# KiCad board sumec.kicad_pcb
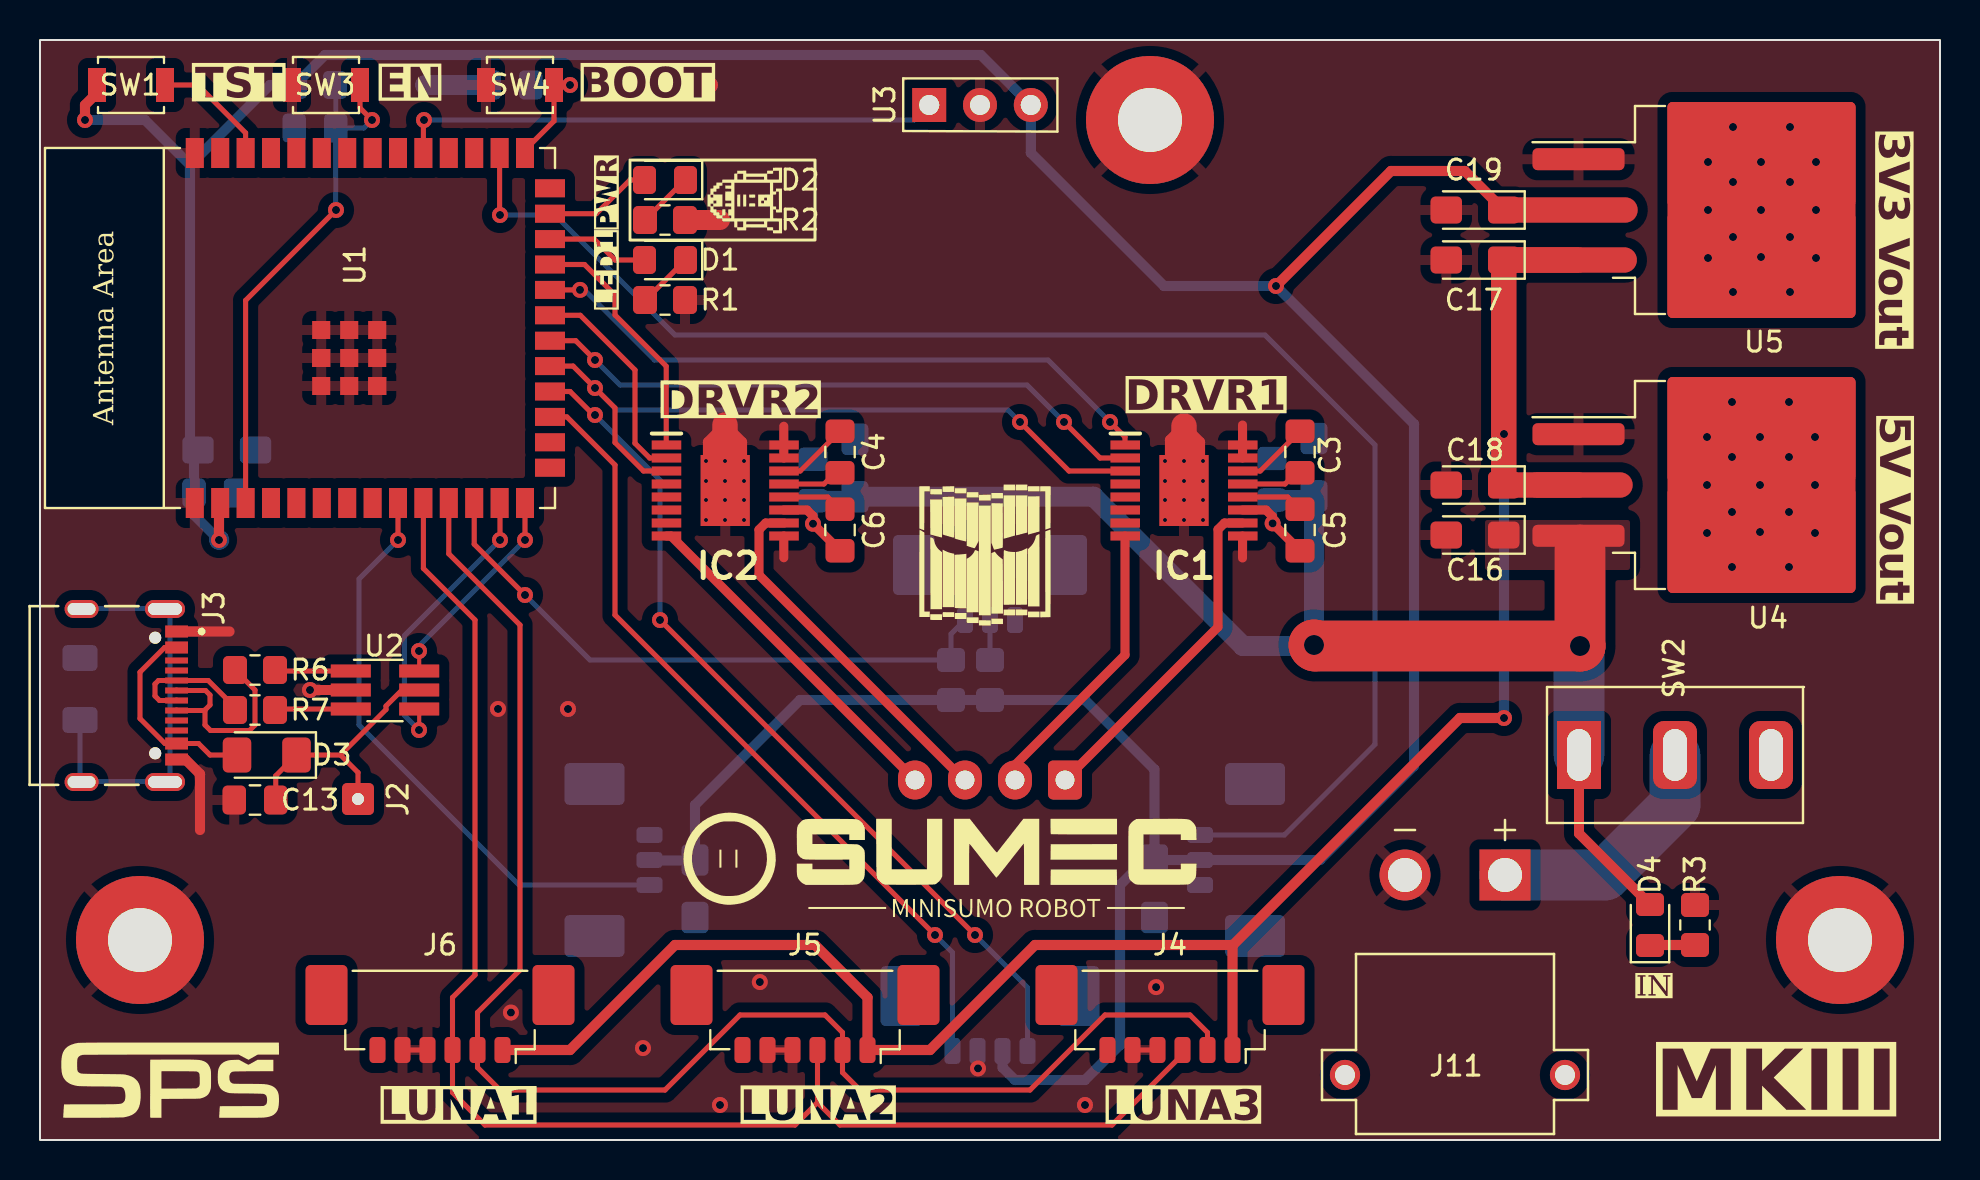
[diagram p0: board, top side]
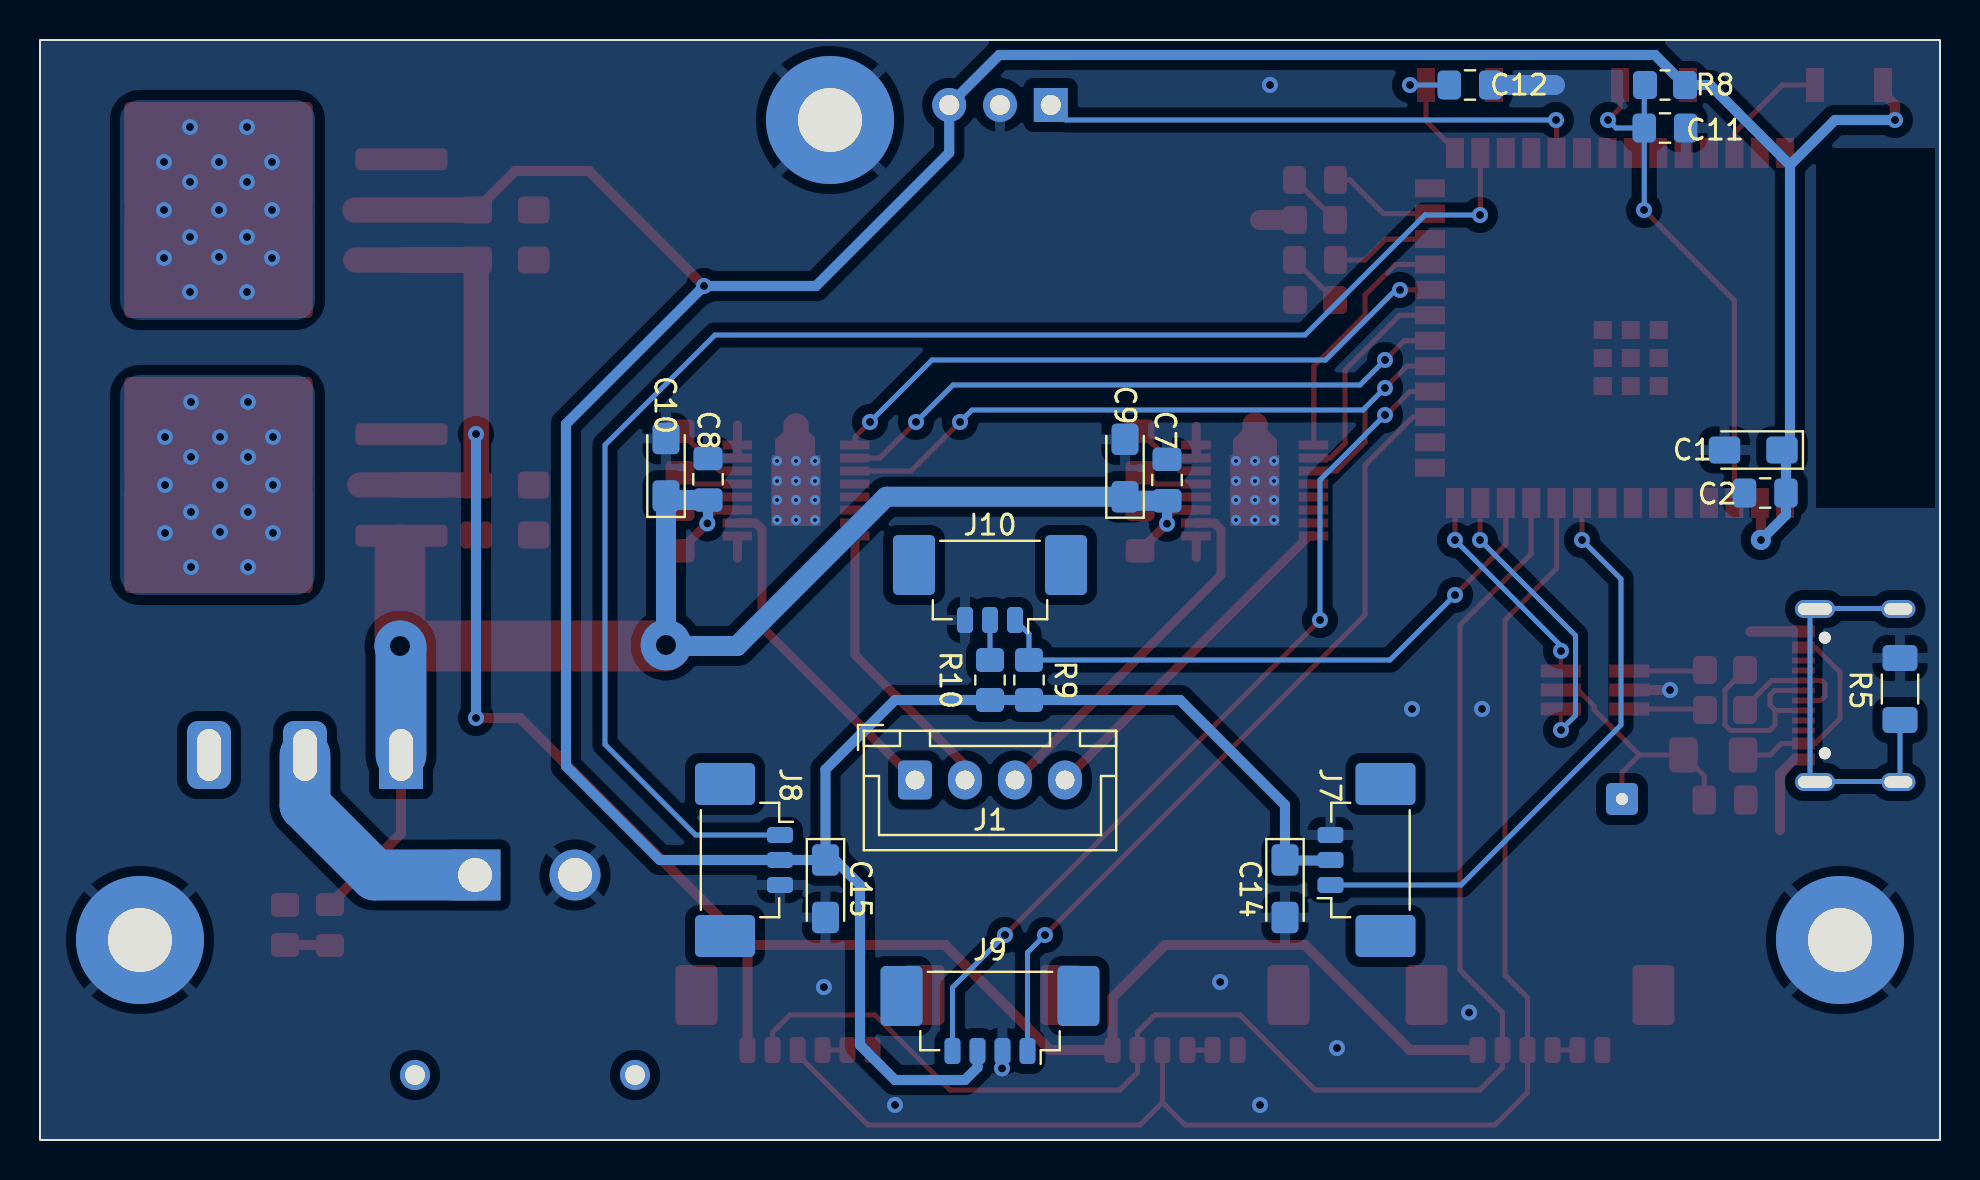
[diagram p1: board, bottom side, seen from below]

Outline 95 x 55 mm; copper layers: Top, Bottom. Coordinates in mm from the lower left corner of the outline.
Outline path: rectangle 0,55 95,0
Stack: Top 0.035mm / dielectric 1.51mm FR4 er 4.5 / Bottom 0.035mm

## Placement (name value [footprint] x y rotation side)
C1  10uF.mcu  [CP_EIA-3216-18_Kemet-A_Pad1.58x1.35mm_HandSolder]  9.34 34.5 0 bottom
C2  100nF.mcu  [C_0805_2012Metric_Pad1.18x1.45mm_HandSolder]  8.74 32.35 0 bottom
C3  22nF.hb  [C_0805_2012Metric_Pad1.18x1.45mm_HandSolder]  63 34.4 270 top
C4  22nF.hb  [C_0805_2012Metric_Pad1.18x1.45mm_HandSolder]  40 34.4 270 top
C5  100nF  [C_0805_2012Metric_Pad1.18x1.45mm_HandSolder]  63 30.5 90 top
C6  100nF  [C_0805_2012Metric_Pad1.18x1.45mm_HandSolder]  40 30.5 90 top
C7  100nF.hb  [C_0805_2012Metric_Pad1.18x1.45mm_HandSolder]  38.65 33 270 bottom
C8  100nF.hb  [C_0805_2012Metric_Pad1.18x1.45mm_HandSolder]  61.6 33.04 270 bottom
C9  10uF.hb  [CP_EIA-3216-18_Kemet-A_Pad1.58x1.35mm_HandSolder]  40.75 33.6 90 bottom
C10  10uF.hb  [CP_EIA-3216-18_Kemet-A_Pad1.58x1.35mm_HandSolder]  63.7 33.64 90 bottom
C11  100nF.en  [C_0805_2012Metric_Pad1.18x1.45mm_HandSolder]  13.75 50.6 180 bottom
C12  100nF.boot  [C_0805_2012Metric_Pad1.18x1.45mm_HandSolder]  23.5 52.75 180 bottom
C13  100nF  [C_0805_2012Metric_Pad1.18x1.45mm_HandSolder]  10.75 17 180 top
C14  10uF.shrp  [CP_EIA-3216-18_Kemet-A_Pad1.58x1.35mm_HandSolder]  32.75 12.56 270 bottom
C15  10uF.shrp  [CP_EIA-3216-18_Kemet-A_Pad1.58x1.35mm_HandSolder]  55.72 12.56 270 bottom
C16  10uF.stabl  [CP_EIA-3216-18_Kemet-A_Pad1.58x1.35mm_HandSolder]  71.75 30.25 180 top
C17  10uF.stabl  [CP_EIA-3216-18_Kemet-A_Pad1.58x1.35mm_HandSolder]  71.75 44 180 top
C18  10uF.stabl  [CP_EIA-3216-18_Kemet-A_Pad1.58x1.35mm_HandSolder]  71.75 32.75 180 top
C19  10uF.stabl  [CP_EIA-3216-18_Kemet-A_Pad1.58x1.35mm_HandSolder]  71.75 46.5 180 top
D1  LED  [LED_0805_2012Metric_Pad1.15x1.40mm_HandSolder]  31.25 44 180 top
D2  LED  [LED_0805_2012Metric_Pad1.15x1.40mm_HandSolder]  31.25 48 180 top
D3  D_Schottky  [D_1206_3216Metric_Pad1.42x1.75mm_HandSolder]  11.34 19.25 180 top
D4  LED  [LED_0805_2012Metric_Pad1.15x1.40mm_HandSolder]  80.5 10.75 90 top
H1  MountingHole_Pad  [MountingHole_3.2mm_M3_Pad]  5 10 0 top
H2  MountingHole_Pad  [MountingHole_3.2mm_M3_Pad]  90 10 180 top
H3  MountingHole_Pad  [MountingHole_3.2mm_M3_Pad]  55.5 51 180 top
IC1  DRV8874PWPR  [DRV8874]  57.2 32.47 0 top
IC2  DRV8874PWPR  [DRV8874]  34.26 32.47 0 top
J1  Conn_01x04_Pin  [JST_XH_B4B-XH-A_1x04_P2.50mm_Vertical]  51.25 18 180 bottom
J2  Conn_01x01_Pin  [SolderWire-0.1sqmm_1x01_D0.4mm_OD1mm]  15.9 17.05 90 top
J3  TYPE-C-31-M-12  [USB_Type_C]  2.08 22.22 270 top
J4  Conn_01x06_Pin  [Molex_PicoBlade_53398-0671_1x06-1MP_P1.25mm_Vertical]  56.5 5.75 180 top
J5  Conn_01x06_Pin  [Molex_PicoBlade_53398-0671_1x06-1MP_P1.25mm_Vertical]  38.25 5.75 180 top
J6  Conn_01x06_Pin  [Molex_PicoBlade_53398-0671_1x06-1MP_P1.25mm_Vertical]  20 5.75 180 top
J7  Conn_01x03_Pin  [Molex_PicoBlade_53398-0371_1x03-1MP_P1.25mm_Vertical]  29.22 14 90 bottom
J8  Conn_01x03_Pin  [Molex_PicoBlade_53398-0371_1x03-1MP_P1.25mm_Vertical]  59.25 14 270 bottom
J9  Conn_01x04_Pin  [Molex_PicoBlade_53398-0471_1x04-1MP_P1.25mm_Vertical]  47.5 5.7 0 bottom
J10  Conn_01x03_Pin  [Molex_PicoBlade_53398-0371_1x03-1MP_P1.25mm_Vertical]  47.5 27.25 0 bottom
J11  XT30PW-M  [AMASS_XT30PW-M]  70.75 3.25 180 top
R1  100R  [R_0805_2012Metric_Pad1.20x1.40mm_HandSolder]  31.25 42 0 top
R2  100R  [R_0805_2012Metric_Pad1.20x1.40mm_HandSolder]  31.25 46 0 top
R3  560R  [R_0805_2012Metric_Pad1.20x1.40mm_HandSolder]  82.75 10.75 90 top
R4  R  [SPS LOGO]  6.5 3 0 top
R5  0R  [R_1206_3216Metric_Pad1.30x1.75mm_HandSolder]  2 22.55 90 bottom
R6  15R  [R_0805_2012Metric_Pad1.20x1.40mm_HandSolder]  10.75 23.5 0 top
R7  15R  [R_0805_2012Metric_Pad1.20x1.40mm_HandSolder]  10.75 21.5 0 top
R8  10k.mcu  [R_0805_2012Metric_Pad1.20x1.40mm_HandSolder]  13.75 52.75 180 bottom
R9  10k  [R_0805_2012Metric_Pad1.20x1.40mm_HandSolder]  45.55 23 90 bottom
R10  100  [R_0805_2012Metric_Pad1.20x1.40mm_HandSolder]  47.5 23 90 bottom
R12  R  [VIGIL 2]  47.25 29.25 0 top
R20  R  [R2D2]  35.25 47 90 top
R21  R  [Logo]  44.47 13.42 0 top
SW1  SW_Push  [SW_SPST_B3U-1000P]  4.55 52.75 0 top
SW2  SW_DPDT_x2  [Custom_SPDT_4.8mm_Switch]  81.65 19.25 90 top
SW3  SW_Push  [SW_SPST_B3U-1000P]  14.3 52.75 0 top
SW4  SW_Push  [SW_SPST_B3U-1000P]  24 52.75 0 top
U1  -  [ESP32-S3-WROOM-1]  16 40.6 90 top
U2  USBLC6-2SC6  [TSOT-23-6_HandSoldering]  17.25 22.5 0 top
U3  TSOP382xx  [TSOP]  44.46 51.75 90 top
U4  LM1084-5.0  [TO-263-3_TabPin2]  84.57 32.75 0 top
U5  LM1084-3.3  [TO-263-3_TabPin2]  84.57 46.5 0 top

## Library data of the parts
C1 C9 C10 C14-C19 = -: Description: Polarized capacitor
C2-C8 C11-C13 = -: Description: Unpolarized capacitor
D1 D2 D4 = -: Description: Light emitting diode
D3 = -: Description: Schottky diode
H1-H3 = -: Description: Mounting Hole with connection
IC1 IC2 = -: Description: H-Bridge Motor Driver With Integrated Current Sense and Regulation; Arrow Price/Stock: https://www.arrow.com/en/products/drv8874pwpr/texas-instruments?region=nac; Height: 1.2; Manufacturer_Name: Texas Instruments; Mouser Part Number: 595-DRV8874PWPR; Mouser Price/Stock: https://www.mouser.co.uk/ProductDetail/Texas-Instruments/DRV8874PWPR?qs=mAH9sUMRCtvh%2FSU15ywmDA%3D%3D
J1 J9 = -: Description: Generic connector, single row, 01x04, script generated
J2 = -: Description: Generic connector, single row, 01x01, script generated
J3 = -: Description: USB Connectors 24 Receptacle 1 8.94*7.3mm RoHS; Availability: Not in stock; Check_prices: https://www.snapeda.com/parts/TYPE-C-31-M-12/HRO+Electronics+Co.%252C+Ltd./view-part/?ref=eda; MANUFACTURER: HRO Electronics Co., Ltd.; MAXIMUM_PACKAGE_HEIGHT: 3.26 mm; MF: HRO Electronics Co., Ltd.; PARTREV: 2020.12.08; Package: Package; Price: None; STANDARD: Manufacturer Recommendations; SnapEDA_Link: https://www.snapeda.com/parts/TYPE-C-31-M-12/HRO+Electronics+Co.%252C+Ltd./view-part/?ref=snap
J4-J6 = -: Description: Generic connector, single row, 01x06, script generated
J7 J8 J10 = -: Description: Generic connector, single row, 01x03, script generated
J11 = -: Description: Socket; DC supply; XT30; male; PIN: 2; on PCBs; THT; Colour: yellow; Availability: Not in stock; Check_prices: https://www.snapeda.com/parts/XT30PW-M/AMASS/view-part/?ref=eda; MANUFACTURER: Amass; MAXIMUM_PACKAGE_HEIGHT: 5 mm; MF: AMASS; PARTREV: 1.2; Package: None; Price: None; STANDARD: Manufacturer Recommendations; SnapEDA_Link: https://www.snapeda.com/parts/XT30PW-M/AMASS/view-part/?ref=snap
R1-R10 R12 R20 R21 = -: Description: Resistor
SW1 SW3 SW4 = -: Description: Push button switch, generic, two pins
SW2 = -: Description: Switch, dual pole double throw, separate symbols
U1 = -: Description: 2.4 GHz WiFi (802.11 b/g/n) and Bluetooth ® 5 (LE) module Built around ESP32S3 series of SoCs, Xtensa ® dualcore 32bit LX7 microprocessor Flash up to 16 MB, PSRAM up to 8 MB 36 GPIOs, rich set of peripherals Onboard PCB antenna
U2 = -: Description: 17V Clamp 5A (8/20µs) Ipp Tvs Diode Surface Mount SOT-23-6; AVAILABILITY: In Stock; Availability: In Stock; Check_prices: https://www.snapeda.com/parts/USBLC6-2SC6/STMicroelectronics/view-part/?ref=eda; DESCRIPTION: 17V Clamp 5A (8/20µs) Ipp Tvs Diode Surface Mount SOT-23-6; MF: STMicroelectronics; PACKAGE: SOT-23-6 STMicroelectronics; PRICE: None; PURCHASE-URL: https://pricing.snapeda.com/search/part/USBLC6-2SC6/?ref=eda; Package: SOT-23-6 STMicroelectronics; Price: None; Purchase-URL: https://www.snapeda.com/api/url_track_click_mouser/?unipart_id=231887&manufacturer=STMicroelectronics&part_name=USBLC6-2SC6&search_term=None; SnapEDA_Link: https://www.snapeda.com/parts/USBLC6-2SC6/STMicroelectronics/view-part/?ref=snap
U3 = -: Description: Photo Modules for PCM Remote Control Systems
U4 = -: Description: 5A 27V Linear Regulator, Fixed Output 5.0V, TO-220/TO-263
U5 = -: Description: 5A 27V Linear Regulator, Fixed Output 3.3V, TO-220/TO-263

## Footprints (pads in the part's own frame, mm; a bottom-side part is the same pattern mirrored in y, then rotated)
AMASS_XT30PW-M
  round 2.55 hole 1.7: N(2.5,-10)
  rect 2.55x2.55 hole 1.7: P(-2.5,-10)
  round 1.508 hole 1: S1(5.5,0) S2(-5.5,0)
C_0805_2012Metric_Pad1.18x1.45mm_HandSolder
  rrect 1.175x1.45 smd: 1(-1.038,0) 2(1.038,0)
CP_EIA-3216-18_Kemet-A_Pad1.58x1.35mm_HandSolder
  rrect 1.575x1.35 smd: 1(-1.438,0) 2(1.438,0)
Custom_SPDT_4.8mm_Switch
  rect 3.4x2.2 hole 2.6x1.2: 1(0,4.7)
  rrect 3.4x2.2 hole 2.6x1.2: 2(0,-0.1) 3(0,-4.9)
D_1206_3216Metric_Pad1.42x1.75mm_HandSolder
  rrect 1.425x1.75 smd: 1(-1.488,0) 2(1.488,0)
DRV8874
  rect 1.475x0.45 smd: 1(-2.938,2.275) 2(-2.938,1.625) 3(-2.938,0.975) 4(-2.938,0.325) 5(-2.938,-0.325) 6(-2.938,-0.975) 7(-2.938,-1.625) 8(-2.938,-2.275) 9(2.938,-2.275) 10(2.938,-1.625) 11(2.938,-0.975) 12(2.938,-0.325) 13(2.938,0.325) 14(2.938,0.975) 15(2.938,1.625) 16(2.938,2.275)
  rect 2.46x3.55 smd: 17(0,0)
ESP32-S3-WROOM-1
  rect 1.5x0.9 smd: 1(-8.75,8.26) 2(-8.75,6.99) 3(-8.75,5.72) 4(-8.75,4.45) 5(-8.75,3.18) 6(-8.75,1.91) 7(-8.75,0.64) 8(-8.75,-0.63) 9(-8.75,-1.9) 10(-8.75,-3.17) 11(-8.75,-4.44) 12(-8.75,-5.71) 13(-8.75,-6.98) 14(-8.75,-8.25) 27(8.75,-8.25) 28(8.75,-6.98) 29(8.75,-5.71) 30(8.75,-4.44) 31(8.75,-3.17) 32(8.75,-1.9) 33(8.75,-0.63) 34(8.75,0.64) 35(8.75,1.91) 36(8.75,3.18) 37(8.75,4.45) 38(8.75,5.72) 39(8.75,6.99) 40(8.75,8.26)
  rect 0.9x1.5 smd: 15(-6.985,-9.5) 16(-5.715,-9.5) 17(-4.445,-9.5) 18(-3.175,-9.5) 19(-1.905,-9.5) 20(-0.635,-9.5) 21(0.635,-9.5) 22(1.905,-9.5) 23(3.175,-9.5) 24(4.445,-9.5) 25(5.715,-9.5) 26(6.985,-9.5)
  rect 0.9x0.9 smd: 41(-2.9,1.94) 41(-2.9,0.54) 41(-2.9,-0.86) 41(-2.9,-0.86) 41(-1.5,1.94) 41(-1.5,1.94) 41(-1.5,0.54) 41(-1.5,-0.86) 41(-0.1,1.94) 41(-0.1,0.54) 41(-0.1,-0.86)
JST_XH_B4B-XH-A_1x04_P2.50mm_Vertical
  rrect 1.7x1.95 hole 0.95: 1(0,0)
  oval 1.7x1.95 hole 0.95: 2(2.5,0) 3(5,0) 4(7.5,0)
LED_0805_2012Metric_Pad1.15x1.40mm_HandSolder
  rrect 1.15x1.4 smd: 1(-1.025,0) 2(1.025,0)
Molex_PicoBlade_53398-0371_1x03-1MP_P1.25mm_Vertical
  rrect 0.8x1.3 smd: 1(-1.25,1.25) 2(0,1.25) 3(1.25,1.25)
  rrect 2.1x3 smd: MP(-3.8,-1.5) MP(3.8,-1.5)
Molex_PicoBlade_53398-0471_1x04-1MP_P1.25mm_Vertical
  rrect 0.8x1.3 smd: 1(-1.875,1.25) 2(-0.625,1.25) 3(0.625,1.25) 4(1.875,1.25)
  rrect 2.1x3 smd: MP(-4.425,-1.5) MP(4.425,-1.5)
Molex_PicoBlade_53398-0671_1x06-1MP_P1.25mm_Vertical
  rrect 0.8x1.3 smd: 1(-3.125,1.25) 2(-1.875,1.25) 3(-0.625,1.25) 4(0.625,1.25) 5(1.875,1.25) 6(3.125,1.25)
  rrect 2.1x3 smd: MP(-5.675,-1.5) MP(5.675,-1.5)
MountingHole_3.2mm_M3_Pad
  round 6.4 hole 3.2: 1(0,0)
R_0805_2012Metric_Pad1.20x1.40mm_HandSolder
  rrect 1.2x1.4 smd: 1(-1,0) 2(1,0)
R_1206_3216Metric_Pad1.30x1.75mm_HandSolder
  rrect 1.3x1.75 smd: 1(-1.55,0) 2(1.55,0)
SolderWire-0.1sqmm_1x01_D0.4mm_OD1mm
  rrect 1.6x1.6 hole 0.6: 1(0,0)
SW_SPST_B3U-1000P
  rect 0.9x1.7 smd: 1(-1.7,0) 2(1.7,0)
TO-263-3_TabPin2
  rrect 4.6x1.1 smd: 1(-7.65,2.54) 2(-7.65,0) 3(-7.65,-2.54)
  rrect 4.55x5.25 smd: 2(-0.925,2.775) 2(-0.925,-2.775) 2(3.925,2.775) 2(3.925,-2.775)
  rrect 9.4x10.8 smd: 2(1.5,0)
TSOP
  rect 1.7x1.7 hole 1: 1(0,0)
  oval 1.7x1.7 hole 1: 2(0,-2.54) 3(0,-5.08)
TSOT-23-6_HandSoldering
  rect 2x0.65 smd: 1(-1.71,0.95) 2(-1.71,0) 3(-1.71,-0.95) 4(1.71,-0.95) 5(1.71,0) 6(1.71,0.95)
USB_Type_C
  round 0.6 hole 0.6 unplated: (-2.89,3.68) (2.89,3.68)
  rect 0.6x1.14 smd: A1_B12(-3.2,4.75) A4_B9(-2.4,4.75) B1_A12(3.2,4.75) B4_A9(2.4,4.75)
  rect 0.3x1.14 smd: A5(-1.25,4.75) A6(-0.25,4.75) A7(0.25,4.75) A8(1.25,4.75) B5(1.75,4.75) B6(0.75,4.75) B7(-0.75,4.75) B8(-1.75,4.75)
  oval 0.9x2 hole 0.6x1.7: S1(-4.325,4.17) S2(4.325,4.17)
  oval 0.9x1.7 hole 0.6x1.4: S3(-4.325,0) S4(4.325,0)

## Nets
+3V3: C1.1 C2.1 C14.1 C15.1 C19.1 J7.2 J8.2 J9.3 R8.2 R9.1 R10.1 SW1.1 U1.2 U3.3 U5.2
+5V: C17.1 C18.1 J4.1 J5.1 J6.1 U4.2 U5.3
+12V: C5.1 C6.1 C7.2 C8.2 C9.1 C10.1 C16.1 D4.2 IC1.11 IC2.11 SW2.1 U4.3
GND: C1.2 C2.2 C7.1 C8.1 C9.2 C10.2 C11.2 C12.2 C13.2 C14.2 C15.2 C16.2 C17.2 C18.2 C19.2 H1.1 H2.1 H3.1 IC1.9 IC1.15 IC1.16 IC1.17 IC2.9 IC2.15 IC2.16 IC2.17 J3.A1_B12 J3.B1_A12 J4.4 J4.5 J5.4 J5.5 J6.4 J6.5 J7.3 J8.3 J9.2 J10.3 J11.N R1.2 R2.2 R3.2 R5.2 SW3.1 SW4.1 U1.1 U1.40 U1.41 U2.2 U3.2 U4.1 U5.1
VBATT: J11.P SW2.2
VBUS 5V: C13.1 D3.1 J2.1 U2.5
BOOT: C12.1 SW4.2 U1.27
D+: U1.14 U2.6
D+ IN: J3.A6 J3.B6 R6.1
D-: U1.13 U2.4
D- IN: J3.A7 J3.B7 R7.1
EN: C11.1 R8.1 SW3.2 U1.3
IN1: IC1.2 U1.20
IN2: IC2.2 U1.21
IR MODULE: U1.31 U3.1
LED1: D1.2 U1.24
LED2: D2.2 U1.25
nSLEEP: IC1.3 IC2.3 U1.19
OUT 1A: IC1.8 J1.2
OUT 1B: IC1.10 J1.1
OUT 2A: IC2.8 J1.4
OUT 2B: IC2.10 J1.3
PWM1: IC1.1 U1.22
PWM2: IC2.1 U1.23
QRE1113 A: J9.1 U1.17
QRE1113 B: J9.4 U1.18
QRE1113 C: J10.1 R9.2 U1.12
SCL: J4.3 J5.3 J6.3 U1.10
SDA: J4.2 J5.2 J6.2 U1.11
SHARP 1: J7.1 U1.9
SHARP 2: J8.1 U1.28
TEST PROGRAM: SW1.2 U1.38
Net-(D1-K): D1.1 R1.1
Net-(D2-K): D2.1 R2.1
Net-(D3-A): D3.2 J3.A4_B9 J3.B4_A9
Net-(D4-K): D4.1 R3.1
Net-(IC1-CPH): C3.2 IC1.13
Net-(IC1-CPL): C3.1 IC1.14
Net-(IC1-VCP): C5.2 IC1.12
Net-(IC2-CPH): C4.2 IC2.13
Net-(IC2-CPL): C4.1 IC2.14
Net-(IC2-VCP): C6.2 IC2.12
Net-(J3-SHIELD-PadS1): J3.S1 J3.S2 J3.S3 J3.S4 R5.1
Net-(J10-Pin_2): J10.2 R10.2
Net-(R6-Pad2): R6.2 U2.1
Net-(R7-Pad2): R7.2 U2.3

Pads without a net: IC1 4 5 6 7; IC2 4 5 6 7; J3 A5 A8 B5 B8; J4 6 MP; J5 6 MP; J6 6 MP; J7 MP; J8 MP; J9 MP; J10 MP; J11 S1 S2; SW2 3; U1 4 5 6 7 8 15 16 26 29 30 32 33 34 35 36 37 39

## Via types
v1: diameter 0.5, hole 0.2, Top to Bottom, 24 vias
v2: diameter 0.8, hole 0.4, Top to Bottom, 73 vias
v3: diameter 2.54, hole 1, Top to Bottom, 2 vias

## Routing (per net, layer and track width the routed paths; a pad name or vN(x,y) marks a point on that pad's centre or on a via; arc(x,y) is an arc through that point)
+3V3: length 209.5
  Top w0.254: 2.6,52.1 2.6,52.75
  Top w0.508: C19.1 71.24,48.45 67.55,48.45 v2(61.8,42.7) ; v2(2.25,51) 2.25,51.75 2.85,52.35 SW1.1 ; U1.2 8.95,31.79 v2(8.95,30)
  Top w1.27: C19.1 79.25,46.5
  Bottom w0.508: v2(2.25,51) 5.25,51 7.5,48.75 ; C15.1 55.72,18.53 52.25,22 R10.1 R9.1 38,22 32.75,16.75 32.75,13.97 30.5,13.97 ; C15.1 55.25,14 54,12.75 54,4.75 52.25,3 48.75,3 48.12,3.62 J9.3 ; C15.1 J8.2 64,14 68.7,18.7 68.7,35.8 v2(61.8,42.7) 56.2,42.7 49.54,49.36 U3.3 47.04,54.25 14.25,54.25 R8.2 11.5,52.75 7.5,48.75 ; v2(8.95,30) 7.7,31.25 C2.1 7.7,34.3 C1.1 7.5,34.9 7.5,48.75
  Bottom w1: 8.96,30.01 v2(8.95,30)
  vias: v2(83.4,48.9) v2(83.4,46.5) v2(83.4,44.1) v2(84.65,50.65) v2(84.65,47.9) v2(84.65,45.15) v2(84.65,42.4) v2(86.05,48.9) v2(86.05,46.5) v2(86.05,44.15) v2(87.5,50.65) v2(87.5,47.9) v2(87.5,45.15) v2(87.5,42.4) v2(88.8,48.9) v2(88.8,46.5) v2(88.8,44.1)
+5V: length 114
  Top w0.508: v2(73.2,35.3) 73.2,32.45 ; v2(73.2,21.1) 71,21.1 59.65,9.75 ; 59.65,9.75 59.62,9.72 J4.1 ; 59.65,9.75 49.75,9.75 44.5,4.5 J5.1 41.38,7.12 38.75,9.75 31.75,9.75 26.5,4.5 J6.1
  Top w1.27: U4.2 74.85,32.75 ; 79,32.75 C18.1 C17.1 ; 79.21,44 C17.1 ; C17.1 76.88,44
  Bottom w0.508: v2(73.2,35.3) v2(73.2,21.1)
  vias: v2(83.35,35.15) v2(83.35,32.75) v2(83.35,30.35) v2(84.6,36.9) v2(84.6,34.15) v2(84.6,31.4) v2(84.6,28.65) v2(86,35.15) v2(86,32.75) v2(86,30.4) v2(87.45,36.9) v2(87.45,34.15) v2(87.45,31.4) v2(87.45,28.65) v2(88.75,35.15) v2(88.75,32.75) v2(88.75,30.35)
+12V: length 80.8
  Top w0.254: 39.95,29.51 40,29.51
  Top w0.45: IC2.11 38.35,31.5 38.65,31.2 v2(38.65,30.81) 39.95,29.51 ; C5.1 v2(61.63,30.83) 61.63,31.17 61.3,31.5 60.13,31.5
  Top w0.5: SW2.1 76.95,15.33 D4.2
  Top w2.54: v3(63.7,24.75) 63.75,24.7 v3(77,24.7) 77,29.5
  Bottom w0.254: 63.5,32 C10.1
  Bottom w0.508: v2(61.63,30.83) 61.6,30.86 61.6,32.24 ; 40.55,31.96 C9.1 ; C7.2 v2(38.65,30.81)
  Bottom w1: C7.2 40.55,31.96 ; C9.1 52.69,32.16 60.15,24.7 63.65,24.7 v3(63.7,24.75) C10.1 ; C8.2 63.5,32
  Bottom w2.54: v3(77,24.7) 76.95,24.65 SW2.1
GND: length 38.7
  Top w0.254: J4.5 J4.4 ; J6.4 J6.5 ; J5.5 J5.4
  Top w0.45: 37.19,30.2 37.19,29.11 ; 60.13,34.1 60.13,35.75 ; 37.19,34.1 37.19,35.69 ; 60.13,30.2 60.13,29.1
  Top w0.5: U2.2 v2(13.5,22.5)
  Top w0.508: 6.82,25.45 6.84,25.42 9.47,25.42 ; 57.19,32.47 56.5,33.16 56.5,35 57.2,35.7 58,34.9 58,34.1 58.1,34 ; 33.4,34 33.4,34.9 34.25,35.75 35.1,34.9 35.1,34 ; 6.82,19.05 7.25,19.05 8,18.3 8,15.5
  Top w1: R2.2 34,46
  Top w1.27: 57.2,33 57.2,35.7 ; 34.25,35.75 v1(34.25,32.95)
  Bottom w1: C12.2 19.25,52.75
  vias: v1(33.3,33.95) v1(33.3,32.95) v1(33.3,32) v1(33.3,31) v1(34.25,33.95) v1(34.25,32) v1(34.25,31) v1(35.2,33.95) v1(35.2,32.95) v1(35.2,32) v1(35.2,31) v1(56.25,33.95) v1(56.25,32.95) v1(56.25,32) v1(56.25,31) v1(57.2,33.95) v1(57.2,32.95) v1(57.2,32) v1(57.2,31) v1(58.15,33.95) v1(58.15,32.95) v1(58.15,32) v1(58.15,31) v2(22.9,21.55) v2(23.55,6.37) v2(26.4,21.55) v2(30.15,4.6) v2(33.5,52.75) v2(34,1.75) v2(35.99,7.9) v2(46.9,3.58) v2(52.25,1.75) v2(55.8,7.64)
VBATT: length 12.4
  Bottom w2.54: J11.P 78.25,13.25 81.75,16.75 SW2.2
VBUS 5V: length 12.8
  Top w0.25: J2.1 15.9,18.37 15.02,19.25 ; 11.79,17.05 11.79,18.21 D3.1 15.02,19.25 ; U2.5 18.1,22.5 17.3,21.7 17.3,21.53 15.02,19.25
BOOT: length 6.6
  Top w0.254: v2(26.5,52.75) SW4.2 25.7,50.95 24.25,49.5 U1.27
  Bottom w0.254: v2(26.5,52.75) 24.75,52.75
D+: length 10.6
  Top w0.2: v2(18.95,24.45) 18.96,24.44 U2.6
  Top w0.254: v2(24.25,30) U1.14
  Bottom w0.254: v2(18.95,24.45) 18.95,24.7 v2(24.25,30)
D+ IN: length 10.7
  Top w0.25: 8.25,21.5 8.5,21.75 8.5,22.25 8.28,22.47 6.84,22.47 6.82,22.5 ; 8.25,21.5 8.25,20.75 8.53,20.47 10.47,20.47 10.75,20.75 10.75,22.5 R6.1 ; 8.25,21.5 8.22,21.47 6.84,21.47 6.82,21.5
D-: length 14.7
  Top w0.2: v2(18.95,20.5) 18.96,20.51 U2.4
  Top w0.254: v2(23,30) 23,31.83 U1.13
  Bottom w0.254: v2(18.95,20.5) 18.22,21.23 18.22,25.22 v2(23,30)
D- IN: length 6.5
  Top w0.25: R7.1 9.75,21.64 8.41,22.97 5.92,22.97 5.75,22.8 5.75,22.2 5.97,21.97 6.8,21.97 6.82,22
EN: length 26.7
  Top w0.254: U1.3 10.28,41.98 v2(14.8,46.5) ; SW3.2 16,51.6 v2(16.6,51)
  Bottom w0.254: C11.1 14.79,46.51 v2(14.8,46.5) ; C11.1 16.2,50.6 v2(16.6,51) ; C11.1 14.79,52.71
IN1: length 31.2
  Top w0.254: U1.20 26.78,39.97 v2(27.75,39) ; 54.25,34.1 53,34.1 v2(51.2,35.9)
  Bottom w0.254: v2(51.2,35.9) 49.35,37.75 29,37.75 v2(27.75,39)
IN2: length 10.9
  Top w0.254: U1.21 27.02,41.23 29.75,38.5 29.75,34.84 30.49,34.1 31.31,34.1
IR MODULE: length 27.2
  Top w0.254: v2(19.2,51) 19.17,50.97 U1.31
  Bottom w0.254: U3.1 43.71,51 v2(19.2,51)
LED1: length 5.2
  Top w0.254: U1.24 27.7,45.05 28.75,44 D1.2
LED2: length 5.4
  Top w0.254: U1.25 27.81,46.31 29.5,48 D2.2
nSLEEP: length 37.2
  Top w0.254: IC1.3 51.45,33.45 v2(49,35.9) ; 31.31,33.45 30.17,33.45 28.75,34.88 28.75,36.6 v2(27.75,37.6) 26.66,38.69 U1.19
  Bottom w0.254: v2(27.75,37.6) 28.85,36.5 48.4,36.5 v2(49,35.9)
OUT 1A: length 14.5
  Top w0.45: J1.2 48.75,18.75 54.25,24.25 54.25,30.19 IC1.8
OUT 1B: length 17.1
  Top w0.45: J1.1 58.9,25.65 58.9,30.53 59.22,30.85 60.13,30.85
OUT 2A: length 17.5
  Top w0.45: IC2.8 31.55,30.2 J1.4
OUT 2B: length 18.2
  Top w0.254: 46.2,18 J1.3
  Top w0.45: IC2.10 36.29,30.85 35.95,30.51 35.95,28.25 46.2,18
PWM1: length 32.2
  Top w0.254: v2(27,42.5) U1.22 ; v2(53.5,35.9) 54.25,35.15 54.25,34.75
  Bottom w0.254: v2(27,42.5) 27.22,42.5 30.72,39 50.4,39 v2(53.5,35.9)
PWM2: length 12.4
  Top w0.254: 31.31,34.75 31.31,38.69 28.75,41.25 28.75,42.25 27.22,43.78 25.5,43.78
QRE1113 A: length 40.5
  Top w0.254: v2(44.75,10.25) 28.75,26.25 28.75,33.75 26.34,36.16 U1.17
  Bottom w0.254: J9.1 45.62,9.38 v2(44.75,10.25)
QRE1113 B: length 43.5
  Top w0.254: U1.18 26.5,37.42 27.68,36.25 v2(27.75,36.25) ; v2(31,26) v2(46.75,10.25)
  Bottom w0.254: v2(31,26) 31,33 v2(27.75,36.25) ; v2(46.75,10.25) 49.38,7.62 J9.4
QRE1113 C: length 30.6
  Top w0.254: v2(24.25,27.25) 21.71,29.79 U1.12
  Bottom w0.254: v2(24.25,27.25) 27.5,24 R9.2 45.55,25.3 J10.1
SCL: length 73.4
  Top w0.254: 38.88,1.88 40,0.75 53.6,0.75 57.12,4.28 J4.3 ; 38.88,1.88 37.75,0.75 22.25,0.75 20.62,2.38 20.62,7.12 21.75,8.25 21.75,26 19.17,28.58 U1.10 ; 38.88,1.88 J5.3
SDA: length 74.6
  Top w0.254: J4.2 58.38,5.38 57.5,6.25 53.25,6.25 49.5,2.5 41,2.5 40.12,3.38 J5.2 40.12,5.38 39.25,6.25 35,6.25 31.25,2.5 23,2.5 21.88,3.62 J6.2 21.88,6.38 24,8.5 24,25.75 20.44,29.31 U1.11
SHARP 1: length 29.7
  Top w0.254: v2(17.9,30) U1.9
  Bottom w0.254: v2(17.9,30) 15.95,28.05 15.95,20.75 23.95,12.75 J7.1
SHARP 2: length 77.2
  Top w0.254: U1.28 22.98,46.27 v2(23,46.25)
  Bottom w0.254: J8.1 62.22,15.25 66.75,19.78 66.75,34.75 61.25,40.25 31.75,40.25 25.75,46.25 v2(23,46.25)
TEST PROGRAM: length 6
  Top w0.254: SW1.2 7.88,52.75 10.28,50.35 U1.38
Net-(D1-K): length 2.8
  Top w0.254: D1.1 30.28,42
Net-(D2-K): length 2.9
  Top w0.25: R2.1 32.25,48 D2.1
Net-(D3-A): length 10.3
  Top w0.25: 6.82,24.65 6.8,24.62 6.23,24.62 5,23.39 5,21.07 6.25,19.83 7.92,19.83 8.5,19.25 D3.2
Net-(D4-K): length 2.2
  Top w0.508: R3.1 80.53,9.75
Net-(IC1-CPH): length 3.1
  Top w0.254: 60.13,32.8 62.25,32.8 62.81,33.36 C3.2
Net-(IC1-CPL): length 3.7
  Top w0.254: C3.1 61.01,33.45 60.13,33.45
Net-(IC1-VCP): length 3.1
  Top w0.254: 60.13,32.15 62.39,32.15 C5.2
Net-(IC2-CPH): length 3
  Top w0.25: 37.19,32.8 39.2,32.8 39.7,33.3 39.94,33.3 C4.2
Net-(IC2-CPL): length 3.6
  Top w0.25: IC2.14 38.01,33.45 C4.1
Net-(IC2-VCP): length 3.1
  Top w0.25: 40,31.59 C6.2 39.39,32.15 IC2.12
Net-(J3-SHIELD-PadS1): length 19.9
  Bottom w0.25: 2.07,26.58 6.24,26.58 6.5,26.31 6.5,18.19 ; R5.1 2,18 2.07,17.92 6.24,17.92
Net-(J10-Pin_2): length 2
  Bottom w0.254: 47.55,24 47.5,24.05 J10.2
Net-(R6-Pad2): length 3.8
  Top w0.25: R6.2 11.8,23.45 U2.1
Net-(R7-Pad2): length 3.8
  Top w0.25: U2.3 11.8,21.55 R7.2
unconnected-(U1-SPIIO7/GPIO36/FSPICLK/SUBSPICLK-Pad29): length 0.1
  Top w0.25: 21.75,49.31 U1.29

## Copper pours and planes (outline as drawn; the poured copper is in the pictures)
+3V3 on Bottom: 81.25,52 91,52 91,41 81.25,41
+5V on Bottom: 81.25,38.25 81.25,27.25 91,27.25 91,38.25
+12V on Top: 79.5,31 79.5,28.5 72.25,28.5 72.25,31
GND on Top, Bottom: 95,0 0,0 0,55 95,55

## Text on the board
F.Silkscreen: PWR | LED1 | TST | BOOT | LUNA1 | DRVR2 | LUNA2 | LUNA3 | DRVR1 | EN | 3V3 Vout | 5V Vout | MKIII
